# Altium PCB PCBDesign.PcbDoc (part 4 of 8)
Units mm, origin at the board's own origin, x right, y up, seen from the top; angles counter-clockwise.
Board outline 95 x 70 mm, 10 copper layers (L1 (Sig), L2 (GND), L3 (Sig), L4 (GND), L5 (Sig), L6 (GND), L7 (Sig), L8 (GND), L9 (PWR), L10 (Sig)), stack 1.566 mm thick; 290 components, 365 nets, 1923 pads, 1420 vias.
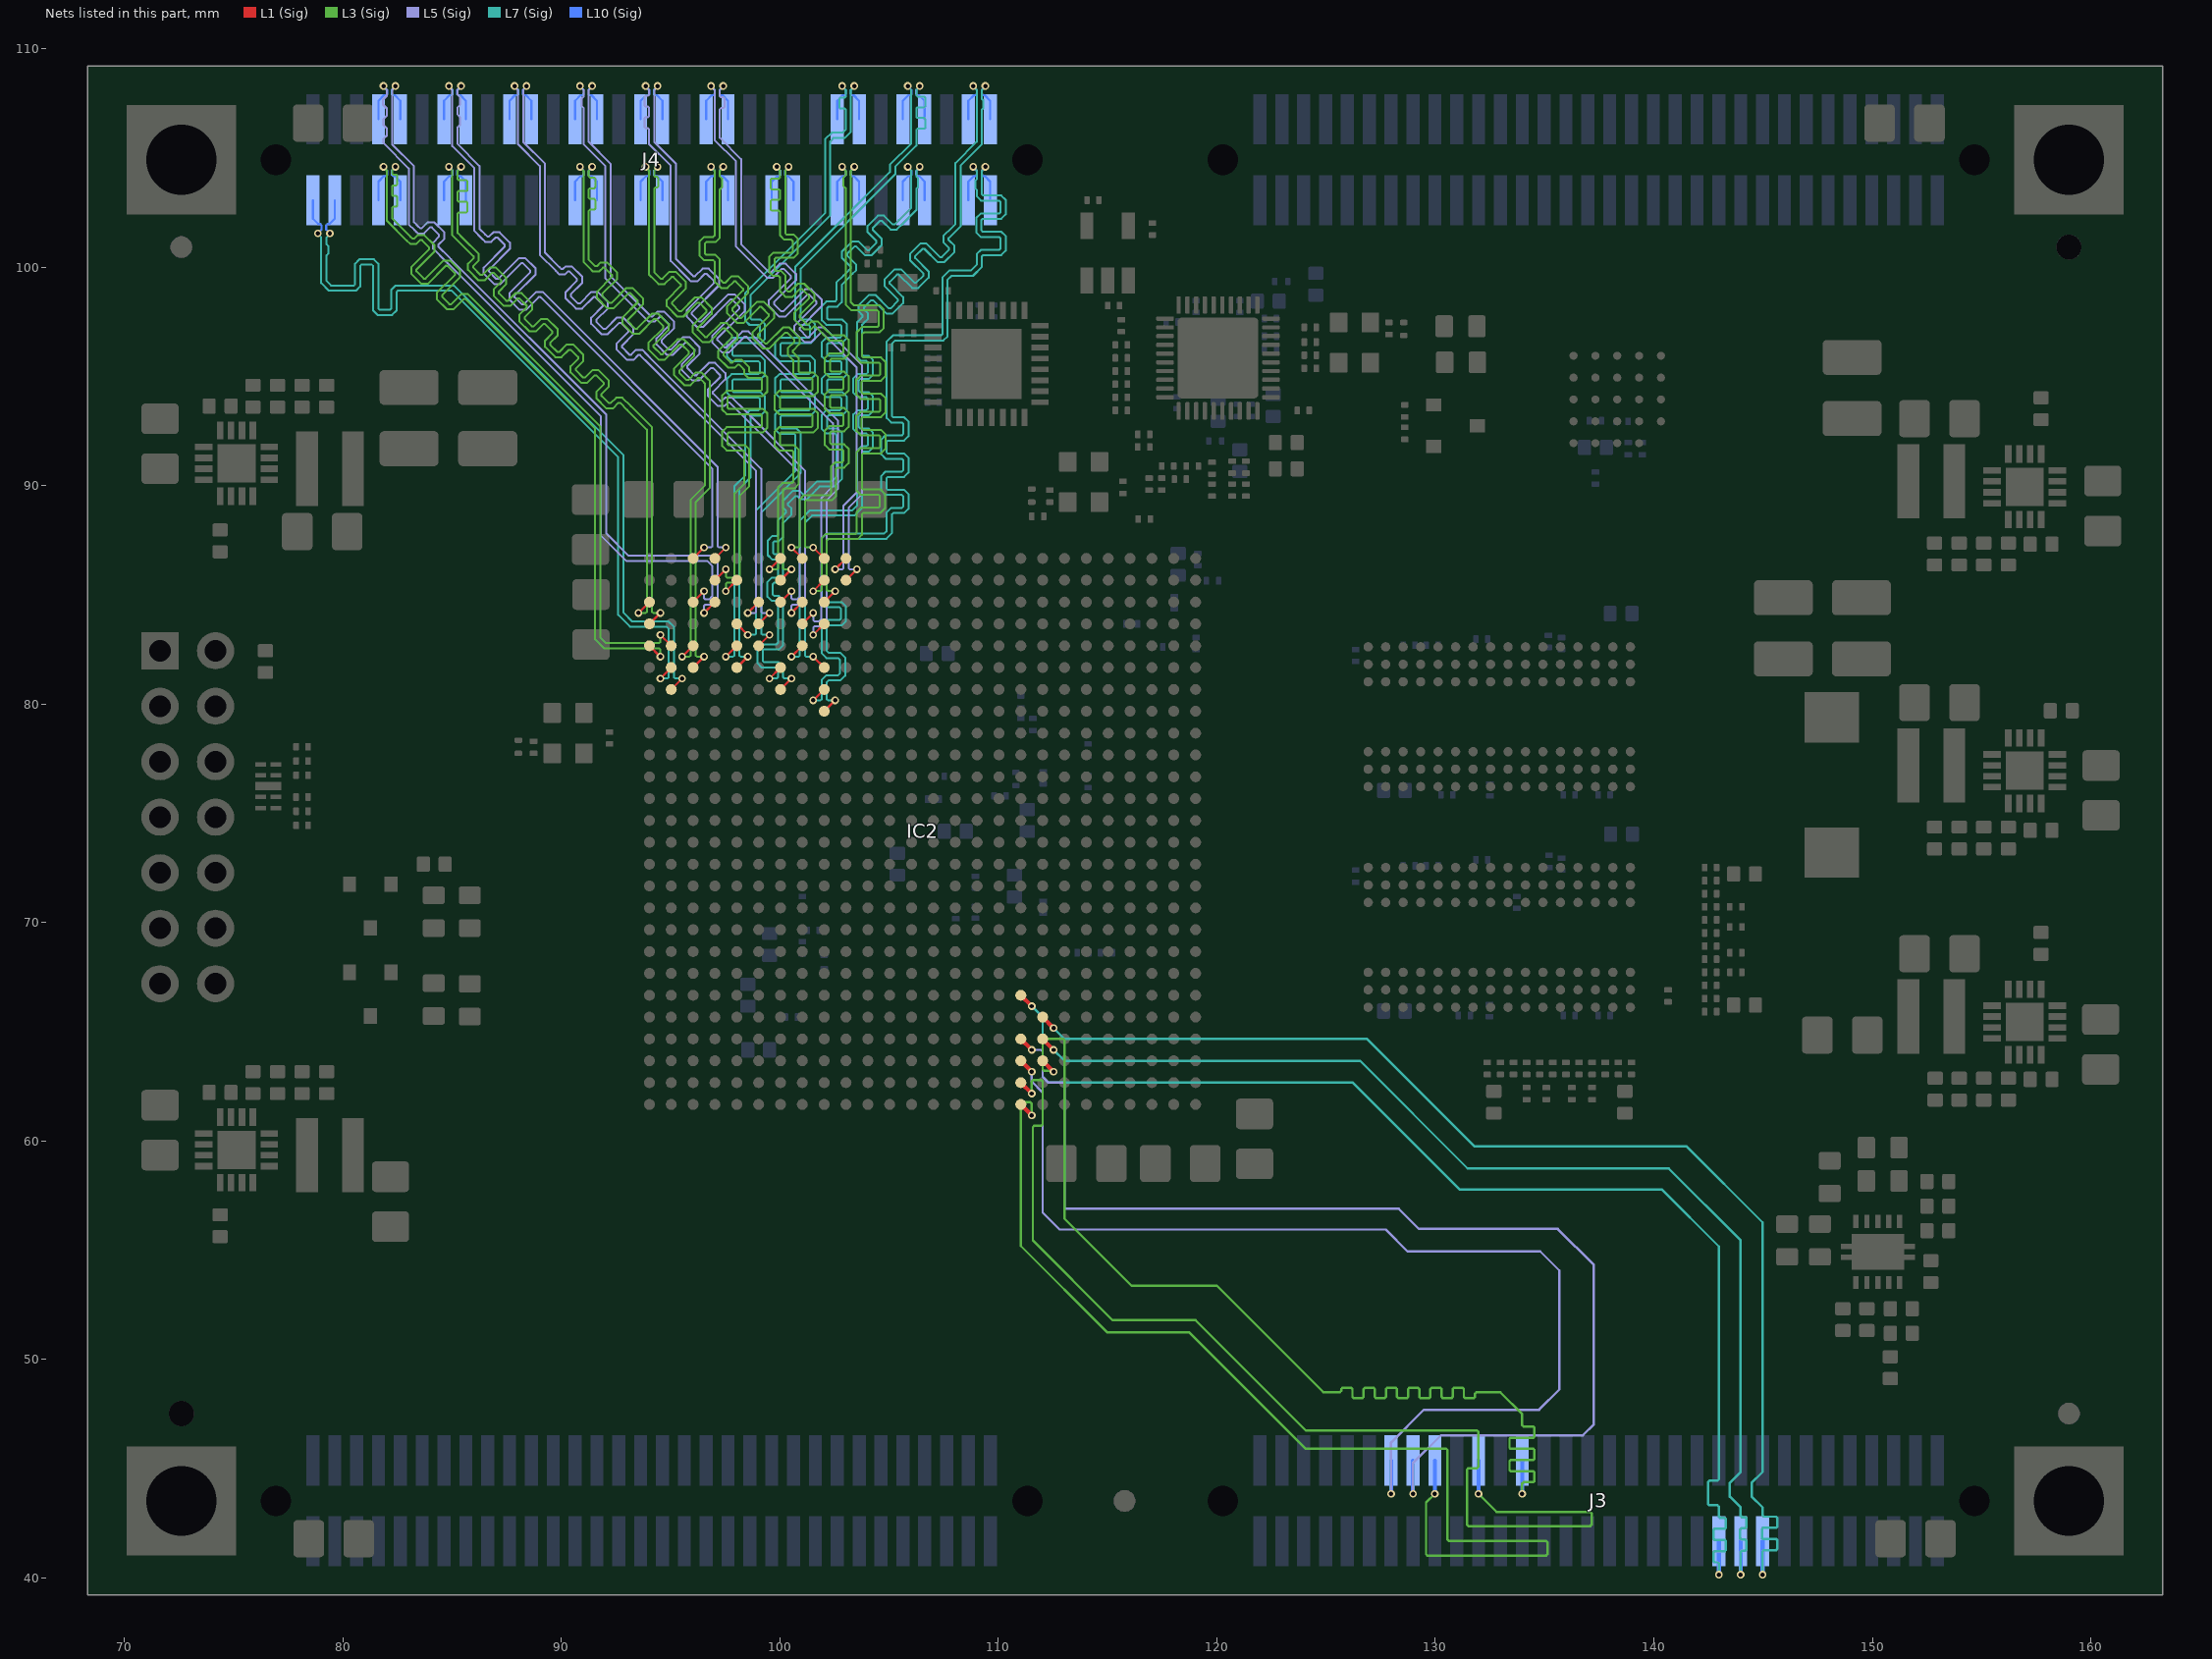
[diagram p12: the nets of this part, all layers, seen from the top]

## Via types
v1: diameter 0.35, hole 0.2, L1 (Sig) to L10 (Sig), tented both sides, 1046 vias
v2: diameter 0.45, hole 0.2, L1 (Sig) to L10 (Sig), tented both sides, 216 vias
v3: diameter 0.6, hole 0.3, L1 (Sig) to L10 (Sig), tented both sides, 95 vias
v4: diameter 0.8, hole 0.4, L1 (Sig) to L10 (Sig), tented both sides, 41 vias
v5: diameter 0.45, hole 0.3, L1 (Sig) to L10 (Sig), tented both sides, 22 vias

## Nets (pads, with @x,y where several pads share a name; then routed paths per layer and width w, separated by ;. In a path a pad name is that pad's centre, name@x,y a point inside that pad or via, vN(x,y) a via of type N, cw(c..) or ccw(c..) an arc to the next point about the centre after c; other vN are vias at no path point) (continued)
B13_IO17N: IC2.AD19 J3.40 | length 51.7
  L1 (Sig) w0.185: IC2.AD19@112.025,63.675 v1(112.525,63.175)
  L3 (Sig) w0.11: v1(112.525,63.175) 112.479,63.221 112.089,63.221 112.025,63.285 112.025,64.611 112.089,64.675 112.961,64.675 113.025,64.611 113.025,56.45 116.1,53.375 120,53.375 124.875,48.5 125.575,48.5 125.63,48.5 125.694,48.564 125.694,48.648 125.745,48.699 126.153,48.699 126.204,48.648 126.204,48.289 126.255,48.238 126.663,48.238 126.714,48.289 126.714,48.648 126.765,48.699 127.173,48.699 127.224,48.648 127.224,48.289 127.275,48.238 127.683,48.238 127.734,48.289 127.734,48.648 127.785,48.699 128.193,48.699 128.244,48.648 128.244,48.289 128.295,48.238 128.703,48.238 128.754,48.289 128.754,48.648 128.805,48.699 129.213,48.699 129.264,48.648 129.264,48.289 129.315,48.238 129.723,48.238 129.774,48.289 129.774,48.648 129.825,48.699 130.233,48.699 130.284,48.648 130.284,48.289 130.335,48.238 130.743,48.238 130.794,48.289 130.794,48.648 130.845,48.699 131.253,48.699 131.304,48.648 131.304,48.289 131.355,48.238 131.763,48.238 131.814,48.289 131.814,48.436 131.879,48.5 132.375,48.5 132.975,48.5 133.975,47.5 133.975,47.05 133.975,46.995 134.039,46.931 134.485,46.931 134.536,46.88 134.536,46.472 134.485,46.421 133.444,46.421 133.393,46.37 133.393,45.962 133.444,45.911 134.485,45.911 134.536,45.86 134.536,45.452 134.485,45.401 133.444,45.401 133.393,45.35 133.393,44.942 133.444,44.891 134.485,44.891 134.536,44.84 134.536,44.432 134.485,44.381 134.039,44.381 133.975,44.316 133.975,43.875 v1(133.975,43.85)
  L10 (Sig) w0.185: v1(133.975,43.85) J3.40@133.975,45.375
B13_IO17P: IC2.AD18 J3.52 | length 50.1
  L1 (Sig) w0.185: IC2.AD18@111.025,63.675 v1(111.525,63.175)
  L5 (Sig) w0.11: v1(111.525,63.175) 111.525,62.725 112.025,62.225 112.025,56.725 112.8,55.95 127.725,55.95 128.725,54.95 134.8,54.95 135.675,54.075 135.675,48.625 134.75,47.7 129.475,47.7 127.975,46.2 v1(127.975,43.85)
  L10 (Sig) w0.185: v1(127.975,43.85) J3.52@127.975,45.375
B13_IO18N: IC2.AF18 J3.48 | length 51
  L1 (Sig) w0.185: IC2.AF18@111.025,61.675 v1(111.525,61.175)
  L3 (Sig) w0.11: v1(111.525,61.175) 111.525,61.711 111.461,61.775 111.089,61.775 111.025,61.711 111.025,55.2 114.975,51.25 118.725,51.25 124.05,45.925 130.486,45.925 130.55,45.861 130.55,41.764 130.614,41.7 135.061,41.7 135.125,41.636 135.125,41.089 135.061,41.025 129.639,41.025 129.575,41.089 129.575,43.45 v1(129.975,43.85)
  L10 (Sig) w0.185: v1(129.975,43.85) J3.48@129.975,45.375
B13_IO18P: IC2.AE18 J3.44 | length 51.6
  L1 (Sig) w0.185: IC2.AE18@111.025,62.675 v1(111.525,62.175)
  L3 (Sig) w0.11: v1(111.525,62.175) 111.525,62.736 111.589,62.8 111.961,62.8 112.025,62.736 112.025,60.764 111.961,60.7 111.639,60.7 111.575,60.636 111.575,55.45 115.225,51.8 119.025,51.8 124.075,46.75 131.911,46.75 131.975,46.686 131.975,45.089 131.911,45.025 131.514,45.025 131.45,44.961 131.45,42.439 131.514,42.375 137.086,42.375 137.15,42.439 137.15,42.961 137.086,43.025 132.8,43.025 v1(131.975,43.85)
  L10 (Sig) w0.185: v1(131.975,43.85) J3.44@131.975,45.375
B13_IO21N: IC2.AC19 J3.19 | length 53.8
  L1 (Sig) w0.185: IC2.AC19@112.025,64.675 v1(112.525,64.175)
  L7 (Sig) w0.11: v1(112.525,64.175) 113.025,63.675 126.55,63.675 131.475,58.75 140.675,58.75 143.975,55.45 143.975,44.85 143.475,44.35 143.475,43.725 143.975,43.225 143.975,42.9 143.975,42.845 144.039,42.781 144.175,42.781 144.226,42.73 144.226,42.322 144.175,42.271 144.004,42.271 143.953,42.22 143.953,41.812 144.004,41.761 144.175,41.761 144.226,41.71 144.226,41.302 144.175,41.251 144.039,41.251 143.975,41.186 143.975,40.6 v1(143.975,40.15)
  L10 (Sig) w0.185: v1(143.975,40.15) J3.19@143.975,41.675
B13_IO21P: IC2.AC18 J3.50 | length 53.7
  L1 (Sig) w0.185: IC2.AC18@111.025,64.675 v1(111.525,64.175)
  L5 (Sig) w0.11: v1(111.525,64.175) 111.961,64.175 112.025,64.111 112.025,62.95 112.3,62.675 112.961,62.675 113.025,62.611 113.025,56.964 113.089,56.9 128.325,56.9 129.25,55.975 135.6,55.975 137.25,54.325 137.25,47.025 136.75,46.525 130.25,46.525 128.975,45.25 v1(128.975,43.85)
  L10 (Sig) w0.185: v1(128.975,43.85) J3.50@128.975,45.375
B13_IO22N: IC2.AB19 J3.17 | length 57.4
  L1 (Sig) w0.185: IC2.AB19@112.025,65.675 v1(112.525,65.175)
  L7 (Sig) w0.11: v1(112.525,65.175) 113.025,64.675 114.025,64.675 126.875,64.675 131.8,59.75 141.5,59.75 144.975,56.275 144.975,44.85 144.475,44.35 144.475,43.725 144.975,43.225 144.975,42.925 144.975,42.87 145.039,42.806 145.596,42.806 145.647,42.755 145.647,42.347 145.596,42.296 145.003,42.296 144.952,42.245 144.952,41.837 145.003,41.786 145.596,41.786 145.647,41.735 145.647,41.327 145.596,41.276 145.039,41.276 144.975,41.211 144.975,40.65 v1(144.975,40.15)
  L10 (Sig) w0.185: v1(144.975,40.15) J3.17@144.975,41.675
B13_IO24N: IC2.AA18 J3.21 | length 57.7
  L1 (Sig) w0.185: IC2.AA18@111.025,66.675 v1(111.525,66.175)
  L7 (Sig) w0.11: v1(111.525,66.175) 112.025,65.675 112.025,62.95 112.3,62.675 126.225,62.675 131.125,57.775 140.375,57.775 142.975,55.175 142.975,44.514 142.911,44.45 142.539,44.45 142.475,44.386 142.475,43.389 142.539,43.325 142.911,43.325 142.975,43.261 142.975,42.875 142.975,42.82 143.039,42.756 143.247,42.756 143.298,42.705 143.298,42.297 143.247,42.246 142.784,42.246 142.733,42.195 142.733,41.787 142.784,41.736 143.247,41.736 143.298,41.685 143.298,41.277 143.247,41.226 142.784,41.226 142.733,41.175 142.733,40.767 142.784,40.716 142.911,40.716 142.975,40.651 142.975,40.475 v1(142.975,40.15)
  L10 (Sig) w0.185: v1(142.975,40.15) J3.21@142.975,41.675
B33_IO_L3_N: IC2.F2 J4.63 | length 38.3
  L1 (Sig) w0.1: v1(94.525,81.175) IC2.F2@95.025,81.675
  L7 (Sig) w0.09: v1(78.85,101.55) 78.85,101.522 79.005,101.367 79.005,99.275 79.355,98.925 80.375,98.925 80.59,98.925 80.789,99.125 80.789,100.064 80.848,100.123 81.32,100.123 81.379,100.064 81.379,98.014 81.579,97.814 82.25,97.814 82.449,98.014 82.449,98.866 82.508,98.925 83.425,98.925 84.975,98.925 92.6,91.3 92.6,84.086 93.136,83.55 94.8,83.55 94.905,83.445 94.905,81.228 94.852,81.175 v1(94.525,81.175)
  L10 (Sig) w0.1: J4.63@78.625,103.075 78.625,102.225 78.875,101.975 78.956,101.975 79.015,101.916 79.015,101.734 78.85,101.569 v1(78.85,101.55)
B33_IO_L3_P: IC2.G2 J4.61 | length 38.4
  L1 (Sig) w0.1: IC2.G2@95.025,80.675 v1(95.525,81.175)
  L7 (Sig) w0.09: v1(79.4,101.55) 79.4,101.522 79.245,101.367 79.245,101.055 79.325,100.975 79.325,100.625 79.245,100.545 79.245,99.374 79.454,99.165 80.375,99.165 80.49,99.165 80.549,99.224 80.549,100.163 80.749,100.363 81.42,100.363 81.619,100.163 81.619,98.113 81.678,98.054 82.15,98.054 82.209,98.113 82.209,98.965 82.409,99.165 83.425,99.165 85.074,99.165 92.84,91.399 92.84,84.185 93.235,83.79 94.899,83.79 95.145,83.544 95.145,81.228 95.198,81.175 v1(95.525,81.175)
  L10 (Sig) w0.1: v1(79.4,101.55) 79.4,101.569 79.235,101.734 79.235,101.916 79.294,101.975 79.375,101.975 79.625,102.225 J4.61@79.625,103.075
B33_IO_L4_N: IC2.C1 J4.51 | length 33.8
  L1 (Sig) w0.1: v1(93.525,84.175) IC2.C1@94.025,84.675
  L3 (Sig) w0.09: v1(84.85,104.6) 84.85,104.572 85.005,104.417 85.005,101.47 85.307,101.168 85.975,100.5 85.975,100.416 85.723,100.164 85.723,99.882 86.198,99.408 86.48,99.408 86.819,99.747 86.903,99.747 87.237,99.413 87.237,99.33 86.897,98.99 86.897,98.708 87.372,98.234 87.654,98.234 87.993,98.573 88.077,98.573 88.41,98.239 88.41,98.156 88.071,97.817 88.071,97.534 88.545,97.06 88.828,97.06 89.167,97.399 89.25,97.399 89.584,97.065 89.584,96.982 89.245,96.643 89.245,96.361 89.719,95.886 90.001,95.886 90.341,96.225 90.424,96.225 90.758,95.892 90.758,95.808 90.419,95.469 90.419,95.187 90.893,94.712 91.175,94.712 91.514,95.052 91.598,95.052 91.932,94.718 91.932,94.634 91.592,94.295 91.592,94.013 92.067,93.539 92.349,93.539 92.601,93.791 92.684,93.791 93.006,93.469 93.905,92.57 93.905,84.228 93.852,84.175 v1(93.525,84.175)
  L10 (Sig) w0.1: J4.51@84.625,103.075 84.625,103.925 84.875,104.175 84.956,104.175 85.015,104.234 85.015,104.416 84.85,104.581 v1(84.85,104.6)
B33_IO_L4_P: IC2.D1 J4.49 | length 35.4
  L1 (Sig) w0.1: IC2.D1@94.025,83.675 v1(94.525,84.175)
  L3 (Sig) w0.09: v1(85.4,104.6) 85.4,104.572 85.245,104.417 85.245,104.273 85.245,104.036 85.298,103.983 85.646,103.983 85.695,103.934 85.695,103.542 85.646,103.493 85.294,103.493 85.245,103.444 85.245,103.052 85.294,103.003 85.646,103.003 85.695,102.954 85.695,102.562 85.646,102.513 85.298,102.513 85.245,102.46 85.245,101.925 85.245,101.569 85.477,101.338 86.215,100.599 86.215,100.317 85.963,100.065 85.963,99.981 86.297,99.648 86.381,99.648 86.72,99.987 87.002,99.987 87.477,99.512 87.477,99.23 87.137,98.891 87.137,98.808 87.471,98.474 87.554,98.474 87.894,98.813 88.176,98.813 88.65,98.339 88.65,98.056 88.311,97.717 88.311,97.634 88.645,97.3 88.728,97.3 89.067,97.639 89.35,97.639 89.824,97.165 89.824,96.883 89.485,96.543 89.485,96.46 89.819,96.126 89.902,96.126 90.241,96.465 90.524,96.465 90.998,95.991 90.998,95.709 90.659,95.37 90.659,95.286 90.992,94.952 91.076,94.952 91.415,95.292 91.697,95.292 92.172,94.817 92.172,94.535 91.832,94.196 91.832,94.112 92.166,93.779 92.25,93.779 92.502,94.031 92.784,94.031 93.176,93.639 94.145,92.669 94.145,84.228 94.198,84.175 v1(94.525,84.175)
  L10 (Sig) w0.1: v1(85.4,104.6) 85.4,104.581 85.235,104.416 85.235,104.234 85.294,104.175 85.375,104.175 85.625,103.925 J4.49@85.625,103.075
B33_IO_L5_N: IC2.E1 J4.57 | length 36.6
  L1 (Sig) w0.1: IC2.E1@94.025,82.675 v1(94.525,82.175)
  L3 (Sig) w0.09: v1(81.85,104.6) 81.85,104.572 82.005,104.417 82.005,102.145 82.925,101.225 83.077,101.073 83.359,101.073 83.529,101.243 83.612,101.243 83.946,100.909 83.946,100.826 83.121,100.001 83.121,99.719 83.596,99.244 83.878,99.244 84.703,100.069 84.786,100.069 85.12,99.736 85.12,99.652 84.295,98.827 84.295,98.545 84.769,98.071 85.052,98.071 85.524,98.543 85.607,98.543 85.883,98.267 91.535,92.615 91.535,82.965 91.945,82.555 94.472,82.555 94.525,82.502 v1(94.525,82.175)
  L10 (Sig) w0.1: J4.57@81.625,103.075 81.625,103.925 81.875,104.175 81.956,104.175 82.015,104.234 82.015,104.416 81.85,104.581 v1(81.85,104.6)
B33_IO_L5_P: IC2.E2 J4.55 | length 36.9
  L1 (Sig) w0.1: v1(94.525,83.175) IC2.E2@95.025,82.675
  L3 (Sig) w0.09: v1(82.4,104.6) 82.4,104.572 82.268,104.44 82.245,104.417 82.245,104.293 82.298,104.24 82.439,104.24 82.488,104.191 82.488,103.799 82.439,103.75 82.294,103.75 82.245,103.701 82.245,103.309 82.294,103.26 82.439,103.26 82.488,103.211 82.488,102.819 82.439,102.77 82.298,102.77 82.245,102.717 82.245,102.244 82.307,102.182 83.095,101.395 83.176,101.313 83.26,101.313 83.43,101.483 83.712,101.483 84.186,101.009 84.186,100.726 83.361,99.902 83.361,99.818 83.695,99.484 83.779,99.484 84.603,100.309 84.886,100.309 85.36,99.835 85.36,99.553 84.535,98.728 84.535,98.644 84.869,98.311 84.952,98.311 85.424,98.783 85.707,98.783 86.052,98.437 91.775,92.714 91.775,83.064 92.044,82.795 94.472,82.795 94.525,82.848 v1(94.525,83.175)
  L10 (Sig) w0.1: v1(82.4,104.6) 82.4,104.581 82.235,104.416 82.235,104.234 82.294,104.175 82.375,104.175 82.625,103.925 J4.55@82.625,103.075
B33_IO_L6_N: IC2.E3 J4.39 | length 36.4
  L1 (Sig) w0.1: v1(95.525,82.175) IC2.E3@96.025,82.675
  L3 (Sig) w0.09: v1(90.85,104.6) 90.85,104.572 91.005,104.417 91.005,100.245 91.288,99.963 91.439,99.811 91.722,99.811 91.896,99.986 91.98,99.986 92.314,99.652 92.314,99.568 91.626,98.881 91.626,98.598 92.1,98.124 92.383,98.124 93.07,98.812 93.154,98.812 93.487,98.478 93.487,98.395 92.8,97.707 92.8,97.425 93.274,96.95 93.556,96.95 94.244,97.638 94.327,97.638 94.661,97.304 94.661,97.221 93.974,96.533 93.974,96.251 94.448,95.777 94.73,95.777 95.418,96.464 95.501,96.464 95.835,96.13 95.835,96.047 95.147,95.359 95.147,95.077 95.622,94.603 95.904,94.603 96.234,94.933 96.317,94.933 96.532,94.718 96.56,94.69 96.56,90.004 95.905,89.349 95.905,82.228 95.852,82.175 v1(95.525,82.175)
  L10 (Sig) w0.1: J4.39@90.625,103.075 90.625,103.925 90.875,104.175 90.956,104.175 91.015,104.234 91.015,104.416 90.85,104.581 v1(90.85,104.6)
B33_IO_L6_P: IC2.F3 J4.37 | length 37.4
  L1 (Sig) w0.1: IC2.F3@96.025,81.675 v1(96.525,82.175)
  L3 (Sig) w0.09: v1(91.4,104.6) 91.4,104.572 91.245,104.417 91.245,104.269 91.245,104.161 91.298,104.108 91.501,104.108 91.55,104.059 91.55,103.667 91.501,103.618 91.294,103.618 91.245,103.569 91.245,103.177 91.294,103.128 91.501,103.128 91.55,103.079 91.55,102.687 91.501,102.638 91.298,102.638 91.245,102.585 91.245,102.05 91.245,100.344 91.457,100.132 91.539,100.051 91.622,100.051 91.797,100.226 92.079,100.226 92.554,99.751 92.554,99.469 91.866,98.781 91.866,98.698 92.2,98.364 92.283,98.364 92.971,99.052 93.253,99.052 93.727,98.577 93.727,98.295 93.04,97.608 93.04,97.524 93.374,97.19 93.457,97.19 94.145,97.878 94.427,97.878 94.901,97.404 94.901,97.121 94.214,96.434 94.214,96.35 94.547,96.017 94.631,96.017 95.318,96.704 95.601,96.704 96.075,96.23 96.075,95.948 95.387,95.26 95.387,95.177 95.721,94.843 95.805,94.843 96.134,95.173 96.417,95.173 96.701,94.888 96.8,94.789 96.8,89.905 96.145,89.25 96.145,82.228 96.198,82.175 v1(96.525,82.175)
  L10 (Sig) w0.1: v1(91.4,104.6) 91.4,104.581 91.235,104.416 91.235,104.234 91.294,104.175 91.375,104.175 91.625,103.925 J4.37@91.625,103.075
B34_IO_L3_N: IC2.G9 J4.3 | length 44.9
  L1 (Sig) w0.1: v1(101.525,80.175) IC2.G9@102.025,80.675
  L7 (Sig) w0.09: v1(101.525,80.175) 101.852,80.175 101.905,80.228 101.905,80.619 101.905,81.106 102.125,81.326 102.663,81.326 102.742,81.405 102.742,82.037 102.663,82.116 102.125,82.116 101.905,82.335 101.905,82.55 101.905,82.875 101.905,83.648 102.105,83.848 102.723,83.848 102.782,83.907 102.782,84.379 102.723,84.438 102.105,84.438 101.905,84.637 101.905,84.852 101.905,87.58 102.14,87.815 104.776,87.815 104.885,87.924 104.885,88.232 104.885,88.787 105.085,88.986 105.582,88.986 105.641,89.045 105.641,89.517 105.582,89.576 104.835,89.576 104.636,89.776 104.636,90.447 104.835,90.646 105.582,90.646 105.641,90.705 105.641,91.177 105.582,91.236 104.835,91.236 104.636,91.436 104.636,92.107 104.835,92.306 105.582,92.306 105.641,92.365 105.641,92.837 105.582,92.896 105.085,92.896 104.885,93.096 104.885,93.311 104.885,96.599 105.176,96.89 107.382,96.89 107.435,96.943 107.435,99.535 107.75,99.85 108.736,99.85 109.005,100.119 109.005,100.25 109.005,100.601 109.205,100.801 110.032,100.801 110.091,100.86 110.091,101.332 110.032,101.391 109.185,101.391 108.985,101.59 108.985,102.261 109.185,102.461 110.032,102.461 110.091,102.52 110.091,102.992 110.032,103.051 109.205,103.051 109.005,103.25 109.005,103.465 109.005,103.545 108.95,103.6 108.95,103.975 109.005,104.03 109.005,104.417 108.85,104.572 v1(108.85,104.6)
  L10 (Sig) w0.1: J4.3@108.625,103.075 108.625,103.925 108.875,104.175 108.956,104.175 109.015,104.234 109.015,104.416 108.85,104.581 v1(108.85,104.6)
B34_IO_L3_P: IC2.H9 J4.1 | length 44.9
  L1 (Sig) w0.1: IC2.H9@102.025,79.675 v1(102.525,80.175)
  L7 (Sig) w0.09: v1(102.525,80.175) 102.198,80.175 102.145,80.228 102.145,80.619 102.145,81.007 102.224,81.086 102.762,81.086 102.982,81.305 102.982,82.136 102.762,82.356 102.224,82.356 102.145,82.435 102.145,82.55 102.145,82.875 102.145,83.549 102.204,83.608 102.822,83.608 103.022,83.807 103.022,84.478 102.822,84.678 102.204,84.678 102.145,84.737 102.145,84.852 102.145,87.481 102.239,87.575 104.875,87.575 105.125,87.825 105.125,88.232 105.125,88.687 105.184,88.746 105.681,88.746 105.881,88.946 105.881,89.617 105.681,89.816 104.935,89.816 104.876,89.875 104.876,90.347 104.935,90.406 105.681,90.406 105.881,90.606 105.881,91.277 105.681,91.476 104.935,91.476 104.876,91.535 104.876,92.007 104.935,92.066 105.681,92.066 105.881,92.266 105.881,92.937 105.681,93.136 105.184,93.136 105.125,93.195 105.125,93.311 105.125,96.5 105.275,96.65 107.482,96.65 107.675,96.843 107.675,99.436 107.849,99.61 108.835,99.61 109.245,100.02 109.245,100.25 109.245,100.502 109.304,100.561 110.132,100.561 110.331,100.76 110.331,101.431 110.132,101.631 109.284,101.631 109.225,101.69 109.225,102.162 109.284,102.221 110.132,102.221 110.331,102.42 110.331,103.091 110.132,103.291 109.304,103.291 109.245,103.35 109.245,103.465 109.245,104.417 109.4,104.572 v1(109.4,104.6)
  L10 (Sig) w0.1: v1(109.4,104.6) 109.4,104.581 109.235,104.416 109.235,104.234 109.294,104.175 109.375,104.175 109.625,103.925 J4.1@109.625,103.075
B34_IO_L7_N: IC2.E5 J4.16 | length 38.3
  L1 (Sig) w0.1: v1(97.525,82.175) IC2.E5@98.025,82.675
  L7 (Sig) w0.09: v1(97.525,82.175) 97.852,82.175 97.905,82.228 97.905,89.969 98.41,90.474 98.41,92.48 98.41,93.251 98.61,93.451 99.014,93.451 99.073,93.51 99.073,93.982 99.014,94.041 97.782,94.041 97.583,94.24 97.583,94.911 97.782,95.111 99.014,95.111 99.073,95.17 99.073,95.642 99.014,95.701 97.782,95.701 97.583,95.9 97.583,96.571 97.782,96.771 99.014,96.771 99.073,96.83 99.073,97.302 99.014,97.361 98.61,97.361 98.41,97.56 98.41,97.775 98.41,98.824 102.06,102.474 102.06,105.86 102.365,106.165 102.876,106.165 103.005,106.294 103.005,107.175 103.005,107.22 102.952,107.273 102.766,107.273 102.717,107.322 102.717,107.714 102.766,107.763 102.952,107.763 103.005,107.815 103.005,108.117 102.987,108.135 102.85,108.272 v1(102.85,108.3)
  L10 (Sig) w0.1: J4.16@102.625,106.775 102.625,107.625 102.875,107.875 102.956,107.875 103.015,107.934 103.015,108.116 102.85,108.281 v1(102.85,108.3)
B34_IO_L7_P: IC2.F5 J4.14 | length 37.8
  L1 (Sig) w0.1: IC2.F5@98.025,81.675 v1(98.525,82.175)
  L7 (Sig) w0.09: v1(98.525,82.175) 98.198,82.175 98.145,82.228 98.145,89.87 98.65,90.375 98.65,92.48 98.65,93.152 98.709,93.211 99.113,93.211 99.313,93.41 99.313,94.081 99.113,94.281 97.882,94.281 97.823,94.34 97.823,94.812 97.882,94.871 99.113,94.871 99.313,95.07 99.313,95.741 99.113,95.941 97.882,95.941 97.823,96 97.823,96.472 97.882,96.531 99.113,96.531 99.313,96.73 99.313,97.401 99.113,97.601 98.709,97.601 98.65,97.66 98.65,97.775 98.65,98.725 102.3,102.375 102.3,105.761 102.464,105.925 102.975,105.925 103.245,106.195 103.245,106.607 103.245,108.117 103.4,108.272 v1(103.4,108.3)
  L10 (Sig) w0.1: v1(103.4,108.3) 103.4,108.281 103.235,108.116 103.235,107.934 103.294,107.875 103.375,107.875 103.625,107.625 J4.14@103.625,106.775
B34_IO_L8_N: IC2.D8 J4.34 | length 39.4
  L1 (Sig) w0.1: IC2.D8@101.025,83.675 v1(101.525,84.175)
  L5 (Sig) w0.09: v1(93.85,108.3) 93.85,108.272 94.005,108.117 94.005,108.1 94.005,107.898 93.952,107.846 93.842,107.846 93.793,107.797 93.793,107.405 93.842,107.356 93.956,107.356 94.005,107.307 94.005,106.915 93.956,106.866 93.842,106.866 93.793,106.817 93.793,106.425 93.842,106.376 93.952,106.376 94.005,106.323 94.005,106.278 94.005,105.644 95,104.649 95,100.286 95.78,99.505 95.932,99.353 96.214,99.353 96.559,99.698 96.643,99.698 96.976,99.364 96.976,99.281 95.725,98.03 95.725,97.747 96.199,97.273 96.481,97.273 97.733,98.524 97.816,98.524 98.15,98.191 98.15,98.107 96.899,96.856 96.899,96.573 97.373,96.099 97.655,96.099 98.379,96.823 98.463,96.823 98.628,96.658 102.425,92.861 102.425,89.973 101.9,89.448 101.9,83.914 101.781,83.795 101.578,83.795 101.525,83.848 v1(101.525,84.175)